# Altium PCB BeagleBone_Black_RevB4.PcbDoc (part 1 of 5)
Units mil, origin at the board's own origin, x right, y up, seen from the top; angles counter-clockwise.
Board outline 3401 x 2151 mil, 6 copper layers (TOP, LYR2_GND, LYR3, LYR4, LYR5_PWR, BOTTOM), stack 62 mil thick; 381 components, 310 nets, 1705 pads, 850 vias.
Unrouted connection lines stored in the file: 107.
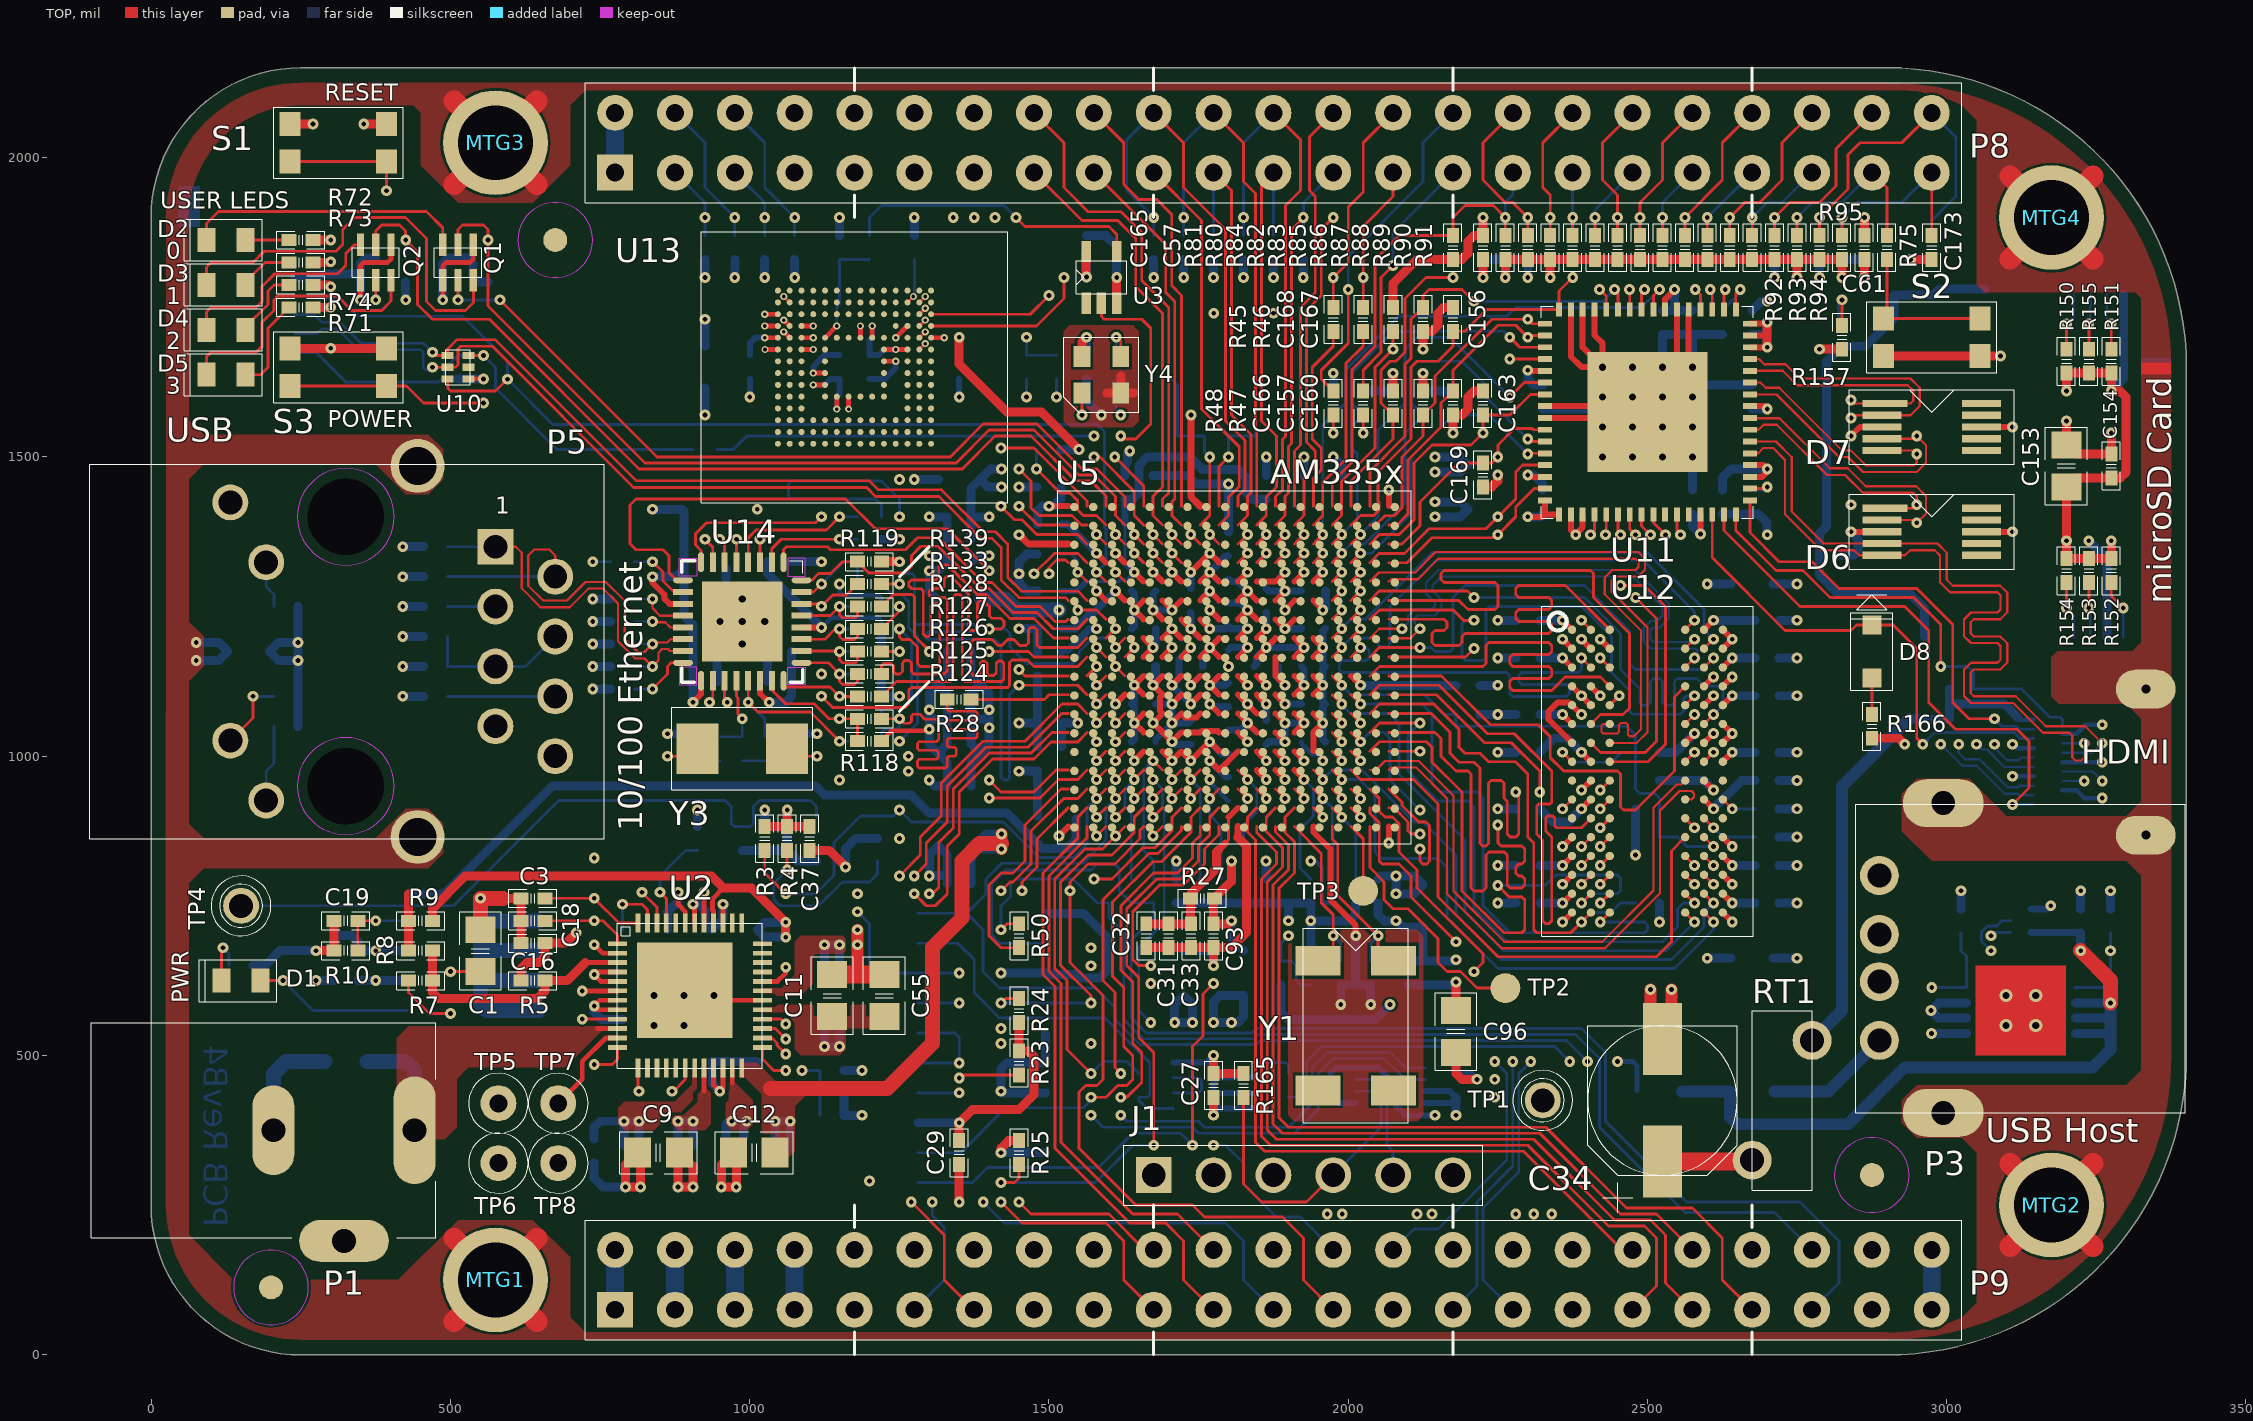
[diagram p0: TOP view]
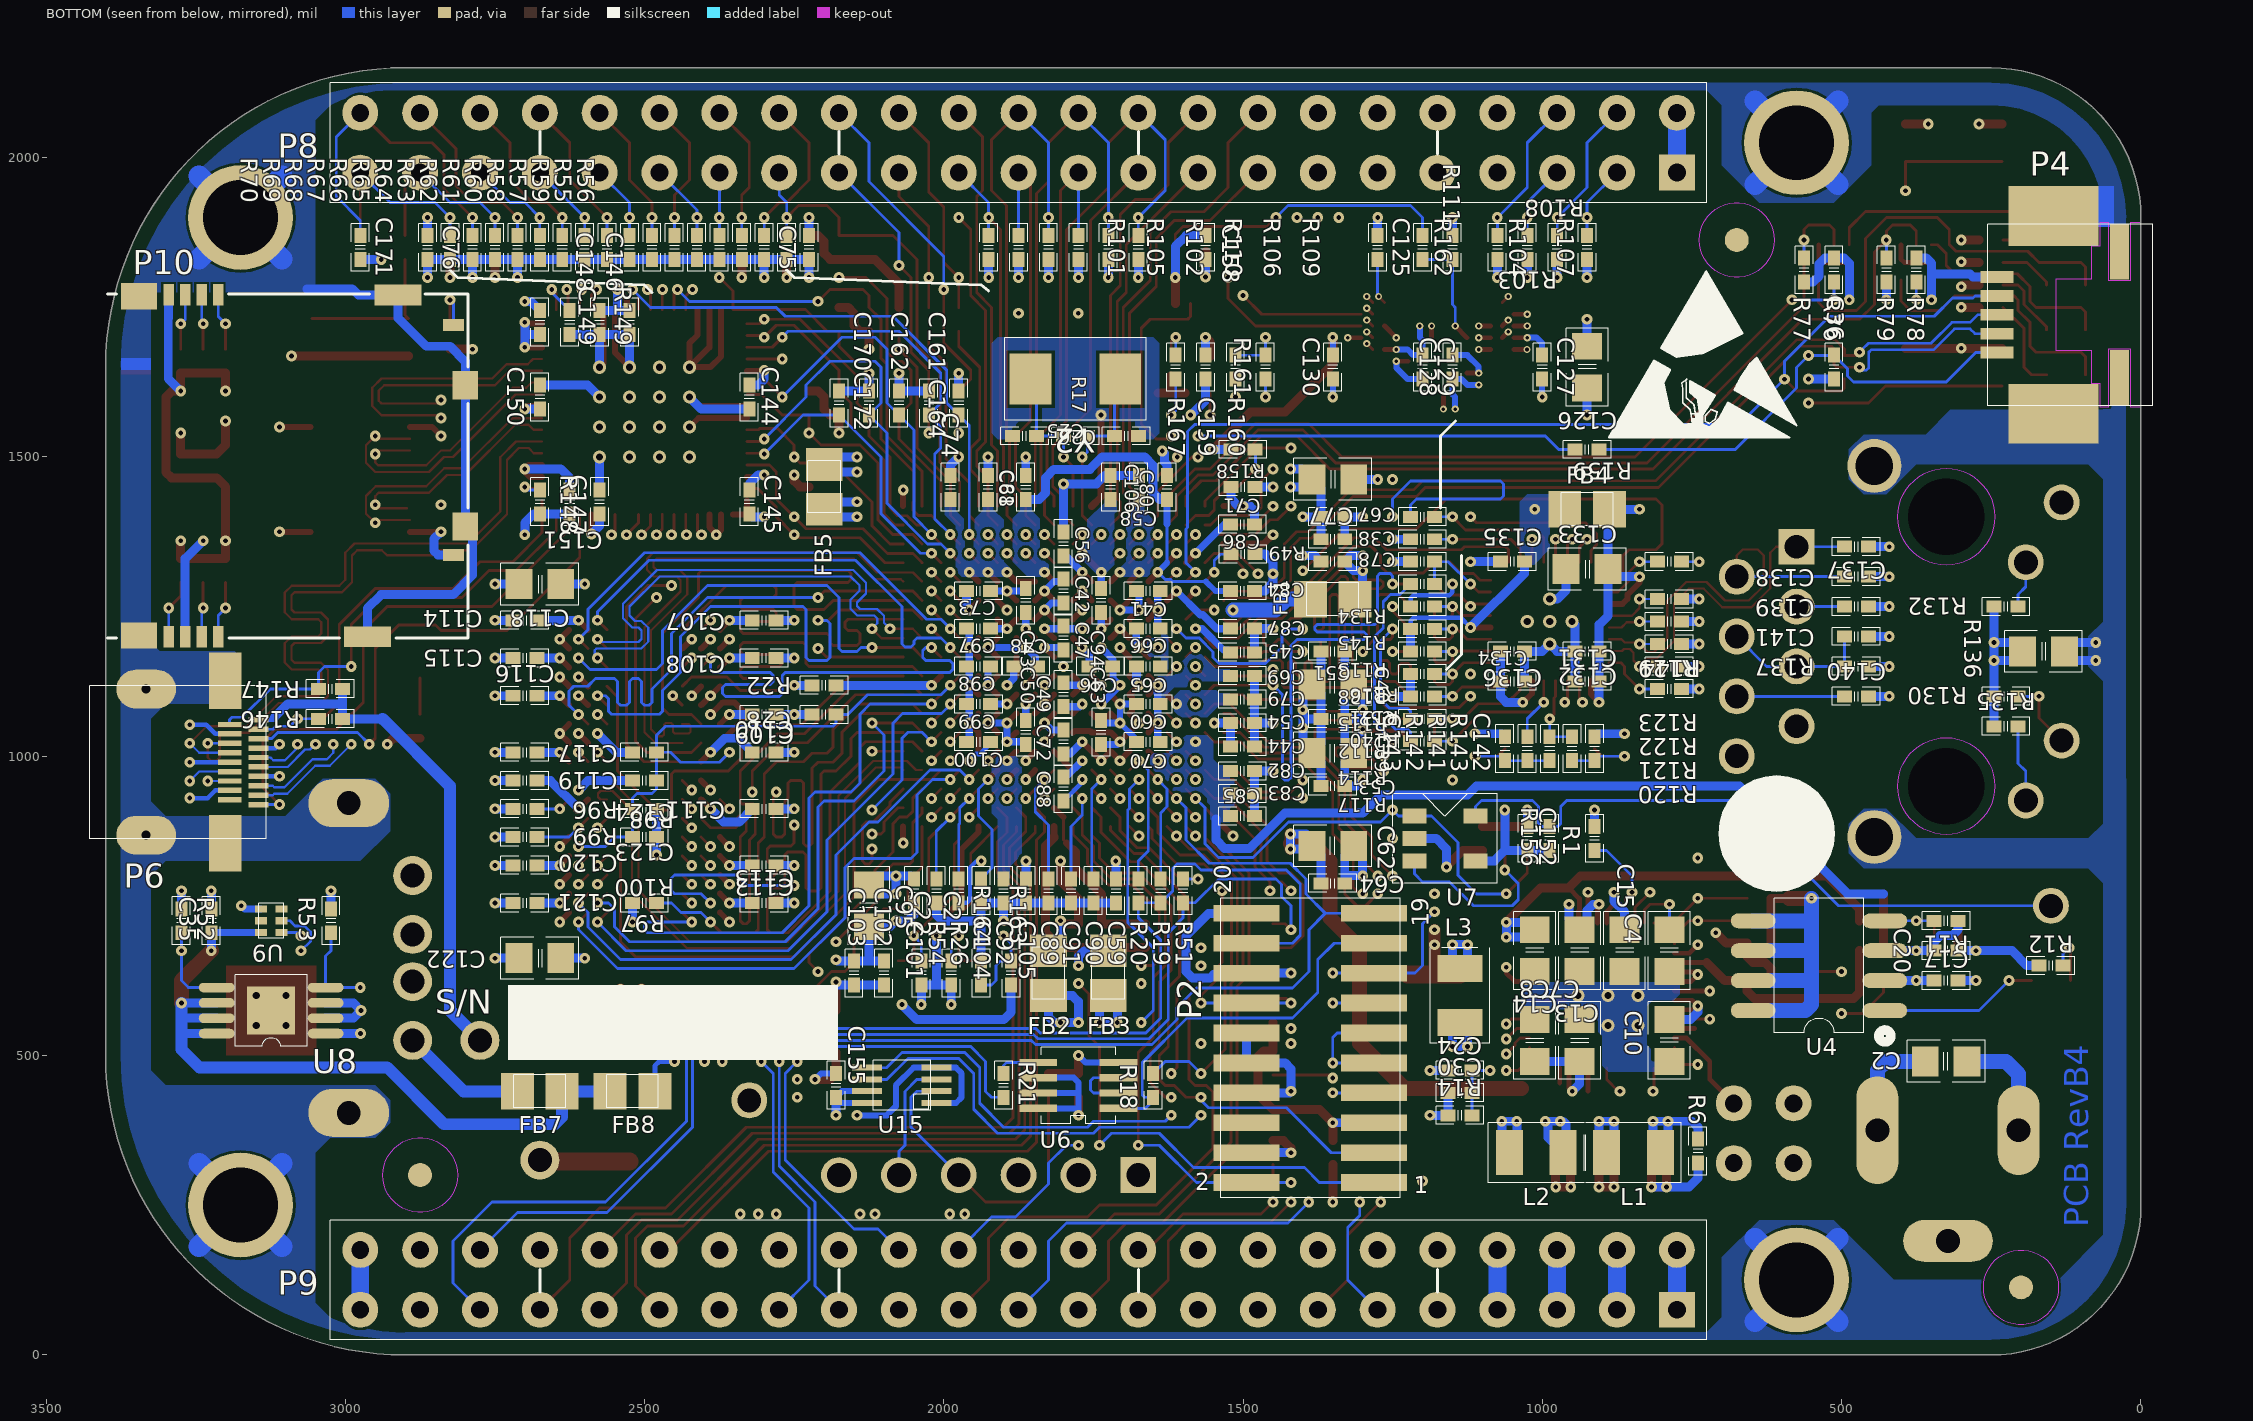
[diagram p1: BOTTOM view, seen from below]
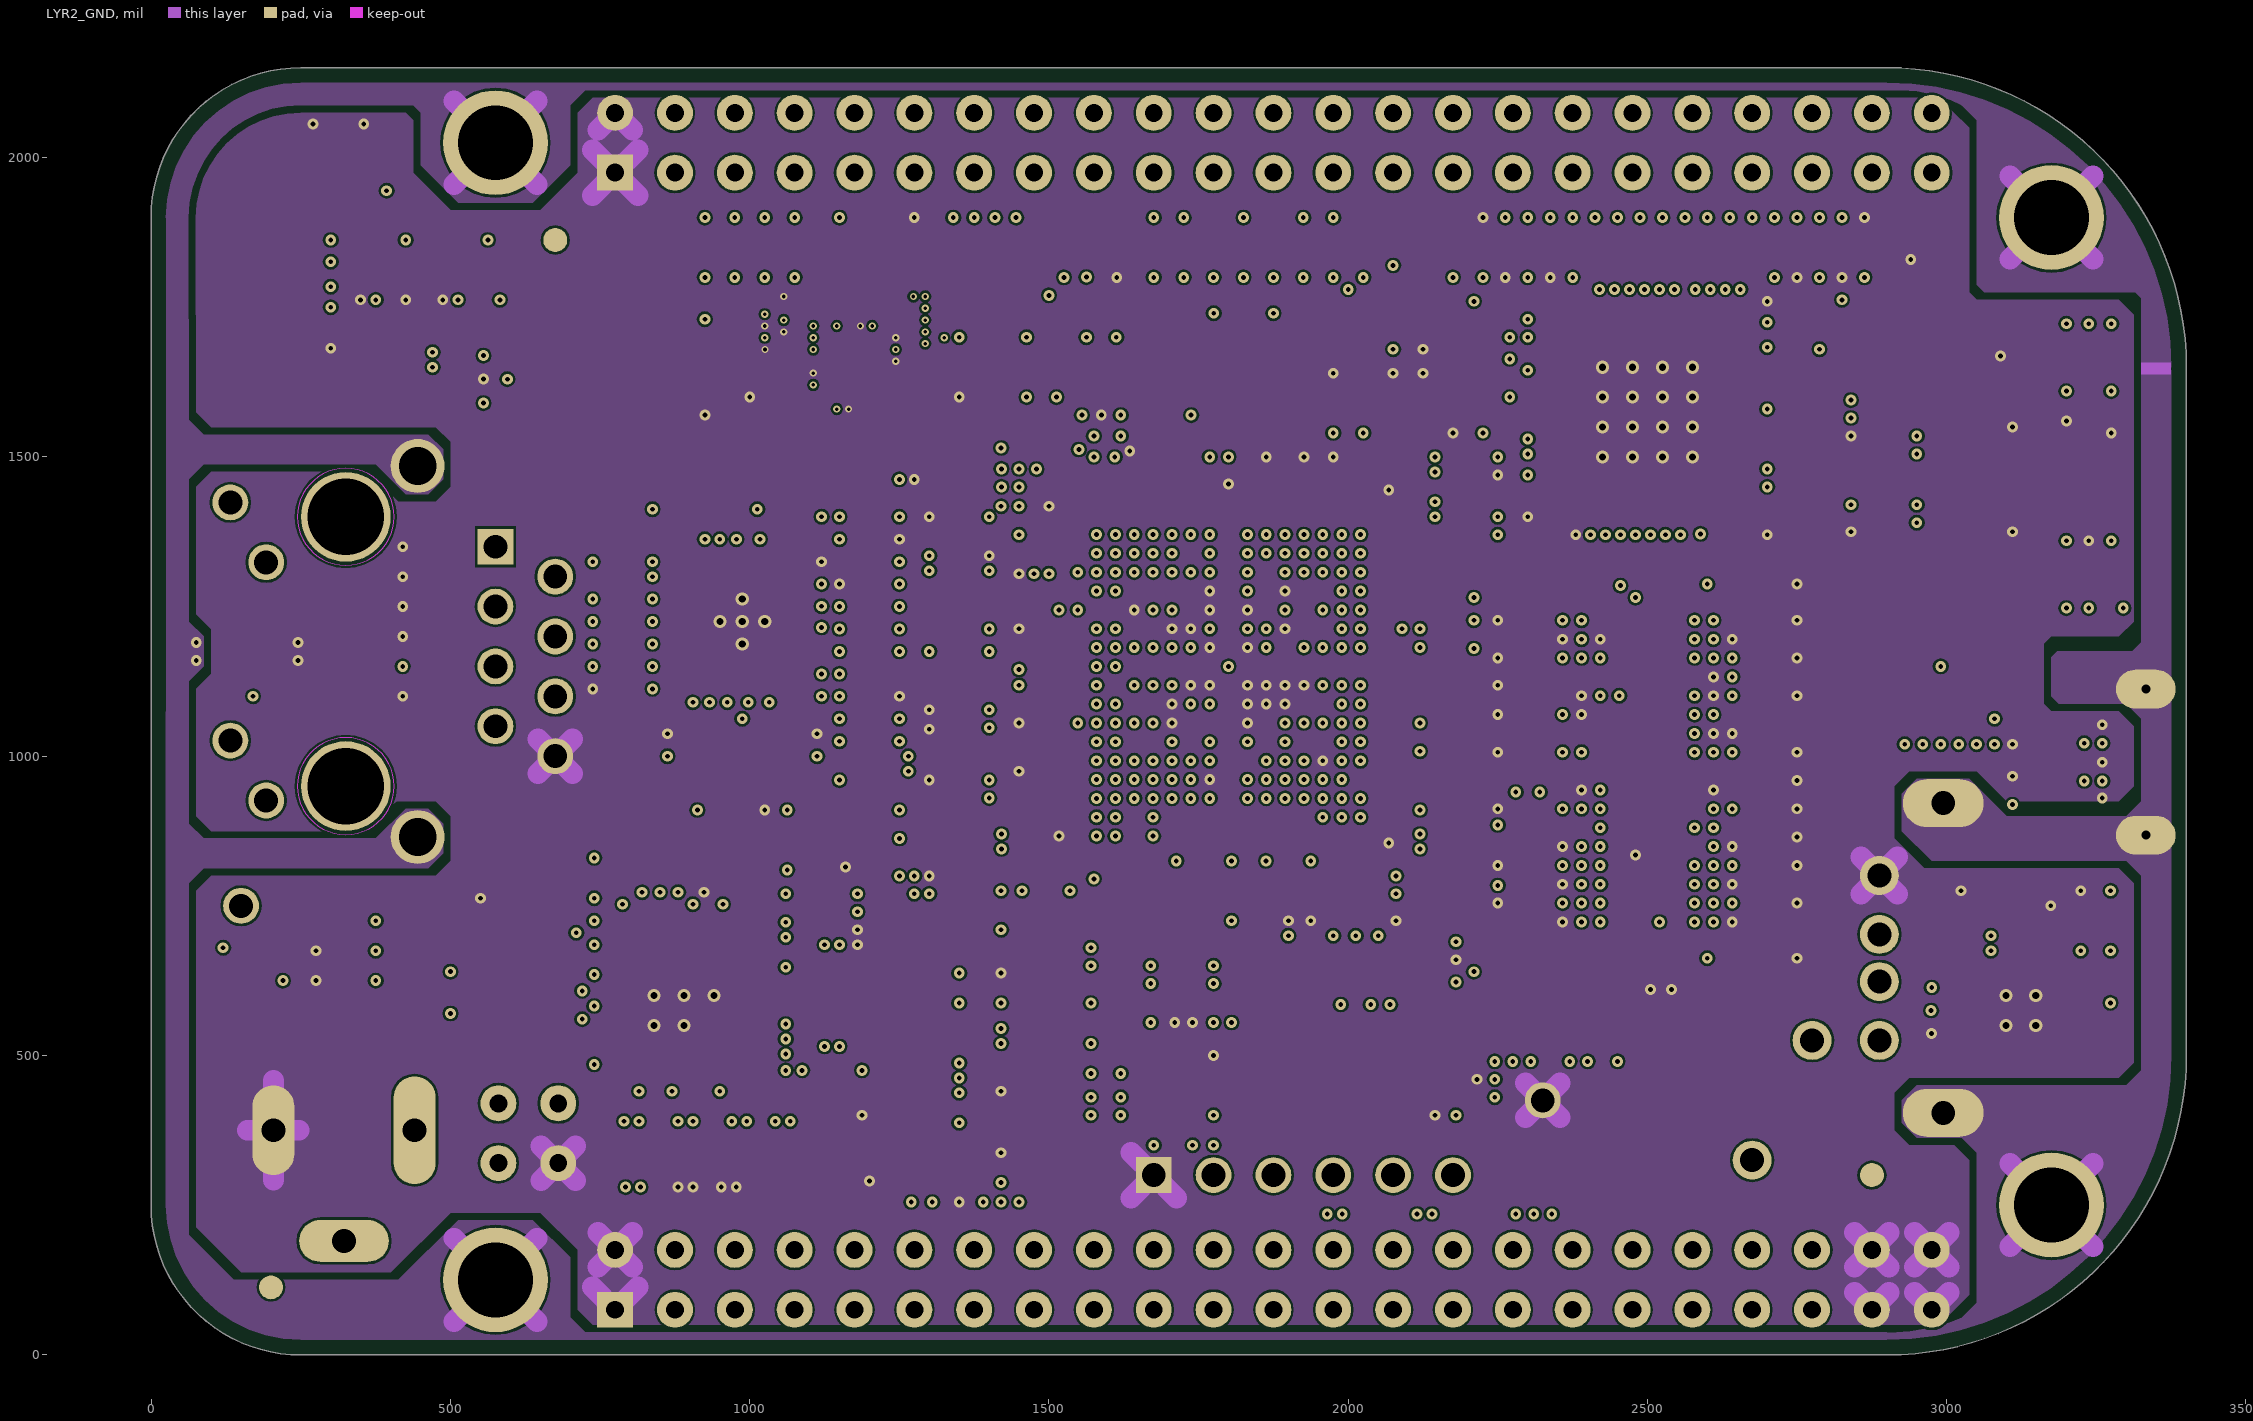
[diagram p2: LYR2_GND]
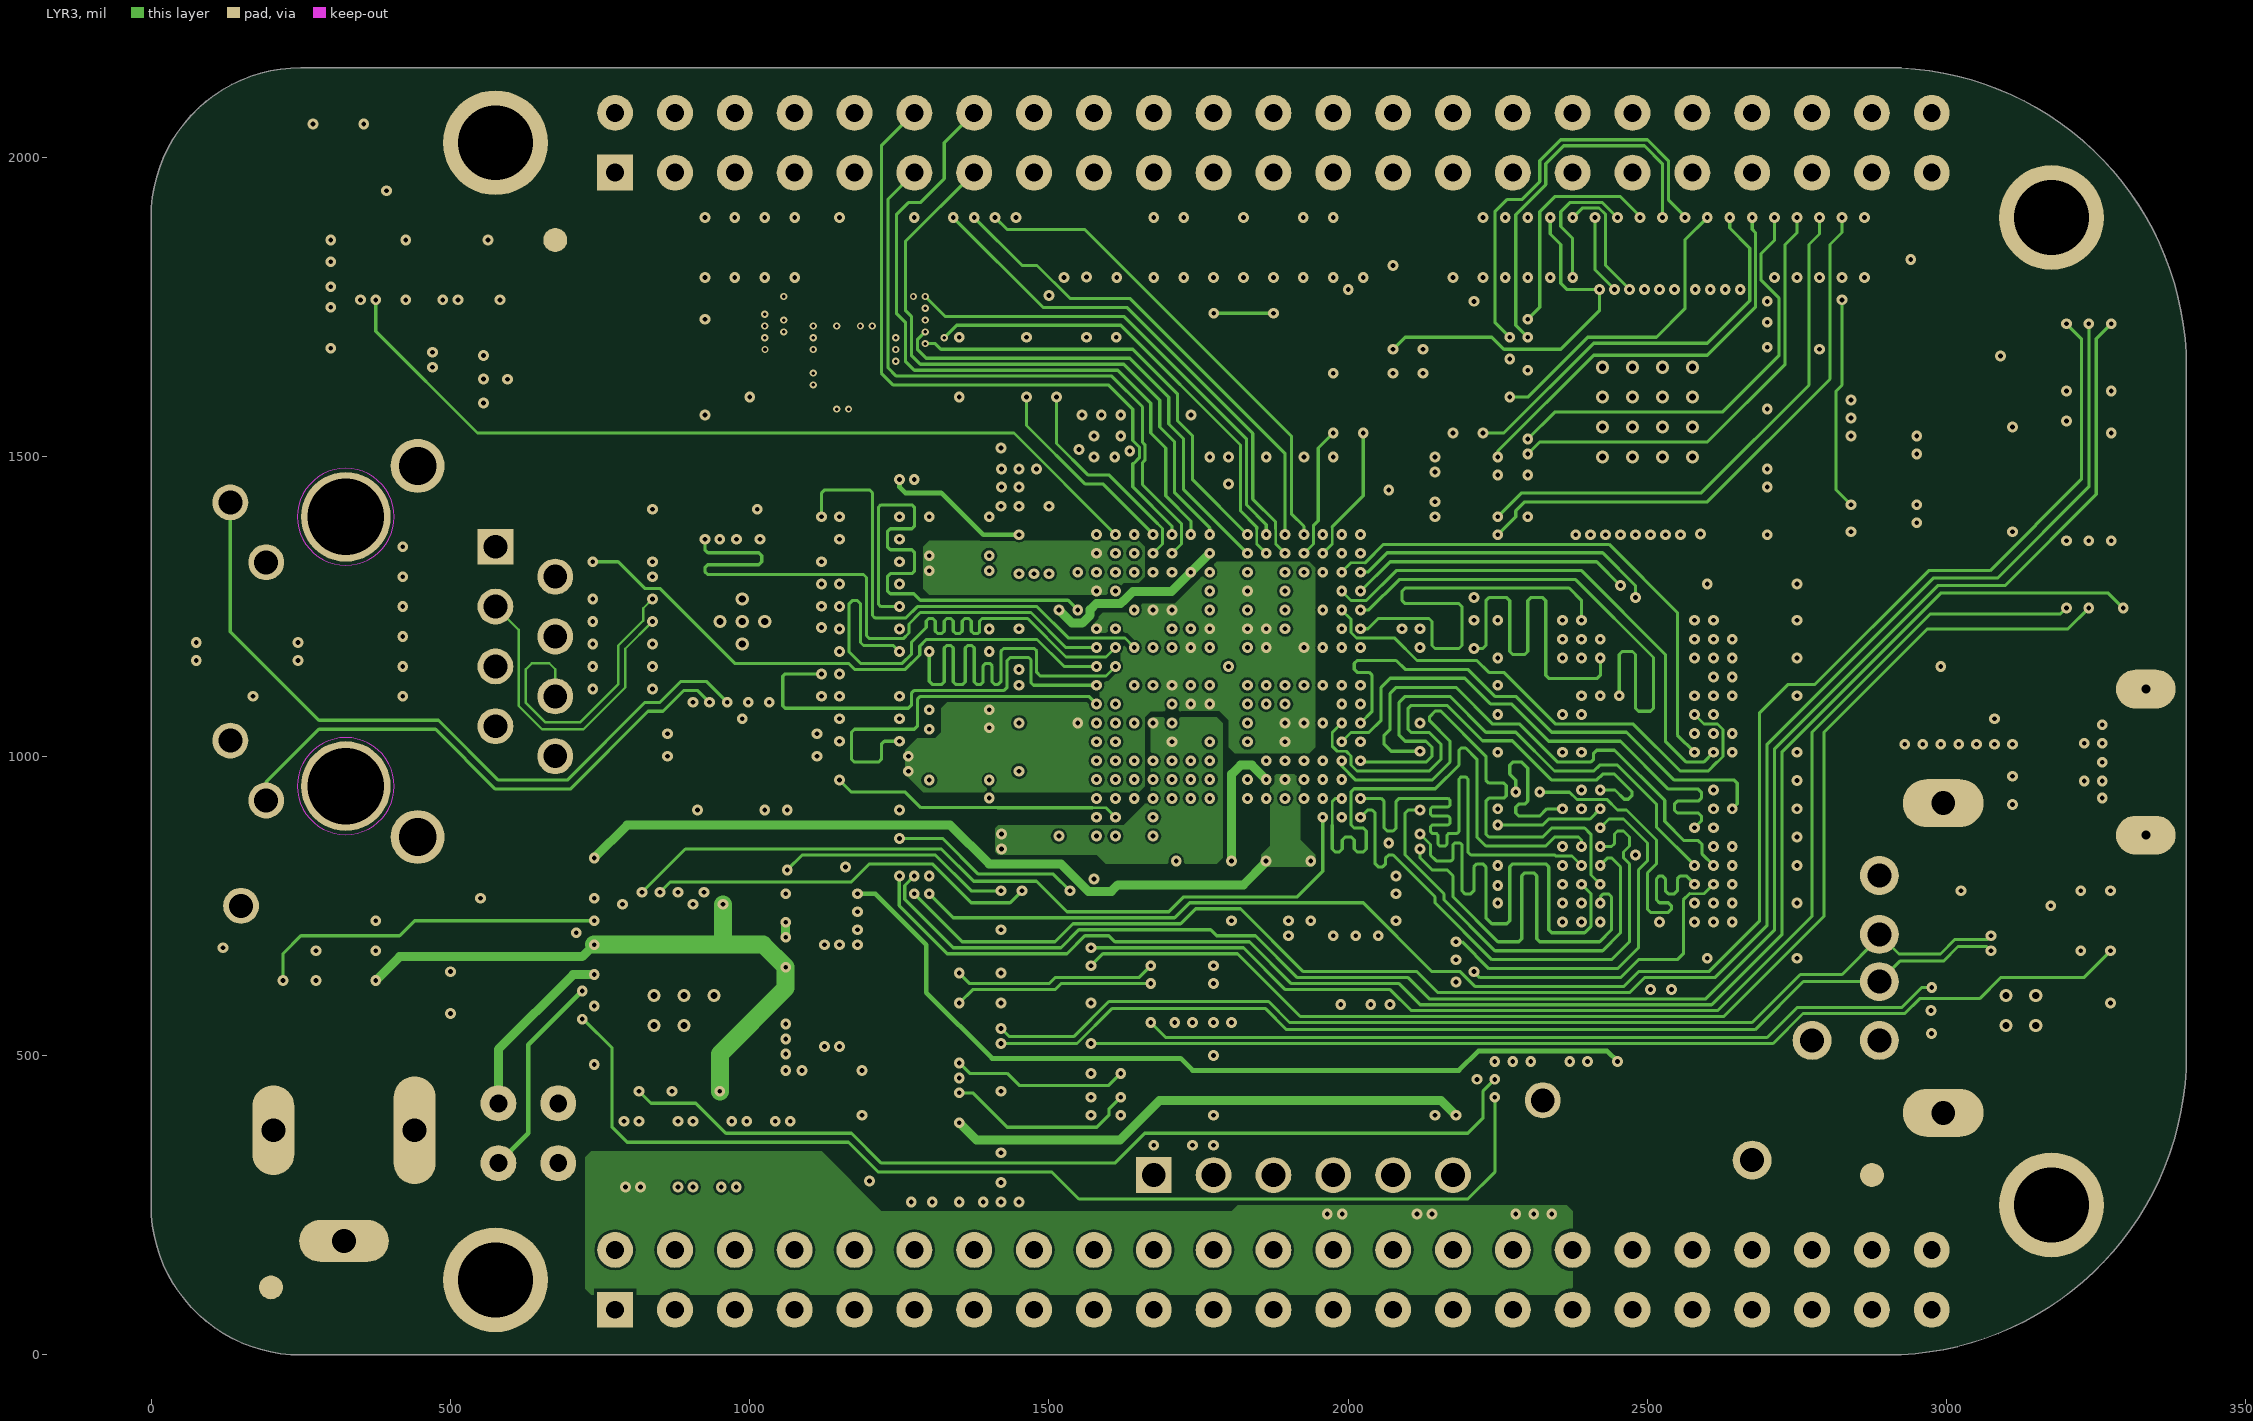
[diagram p3: LYR3]